# KiCad board Joystick_breakout.kicad_pcb (continued)
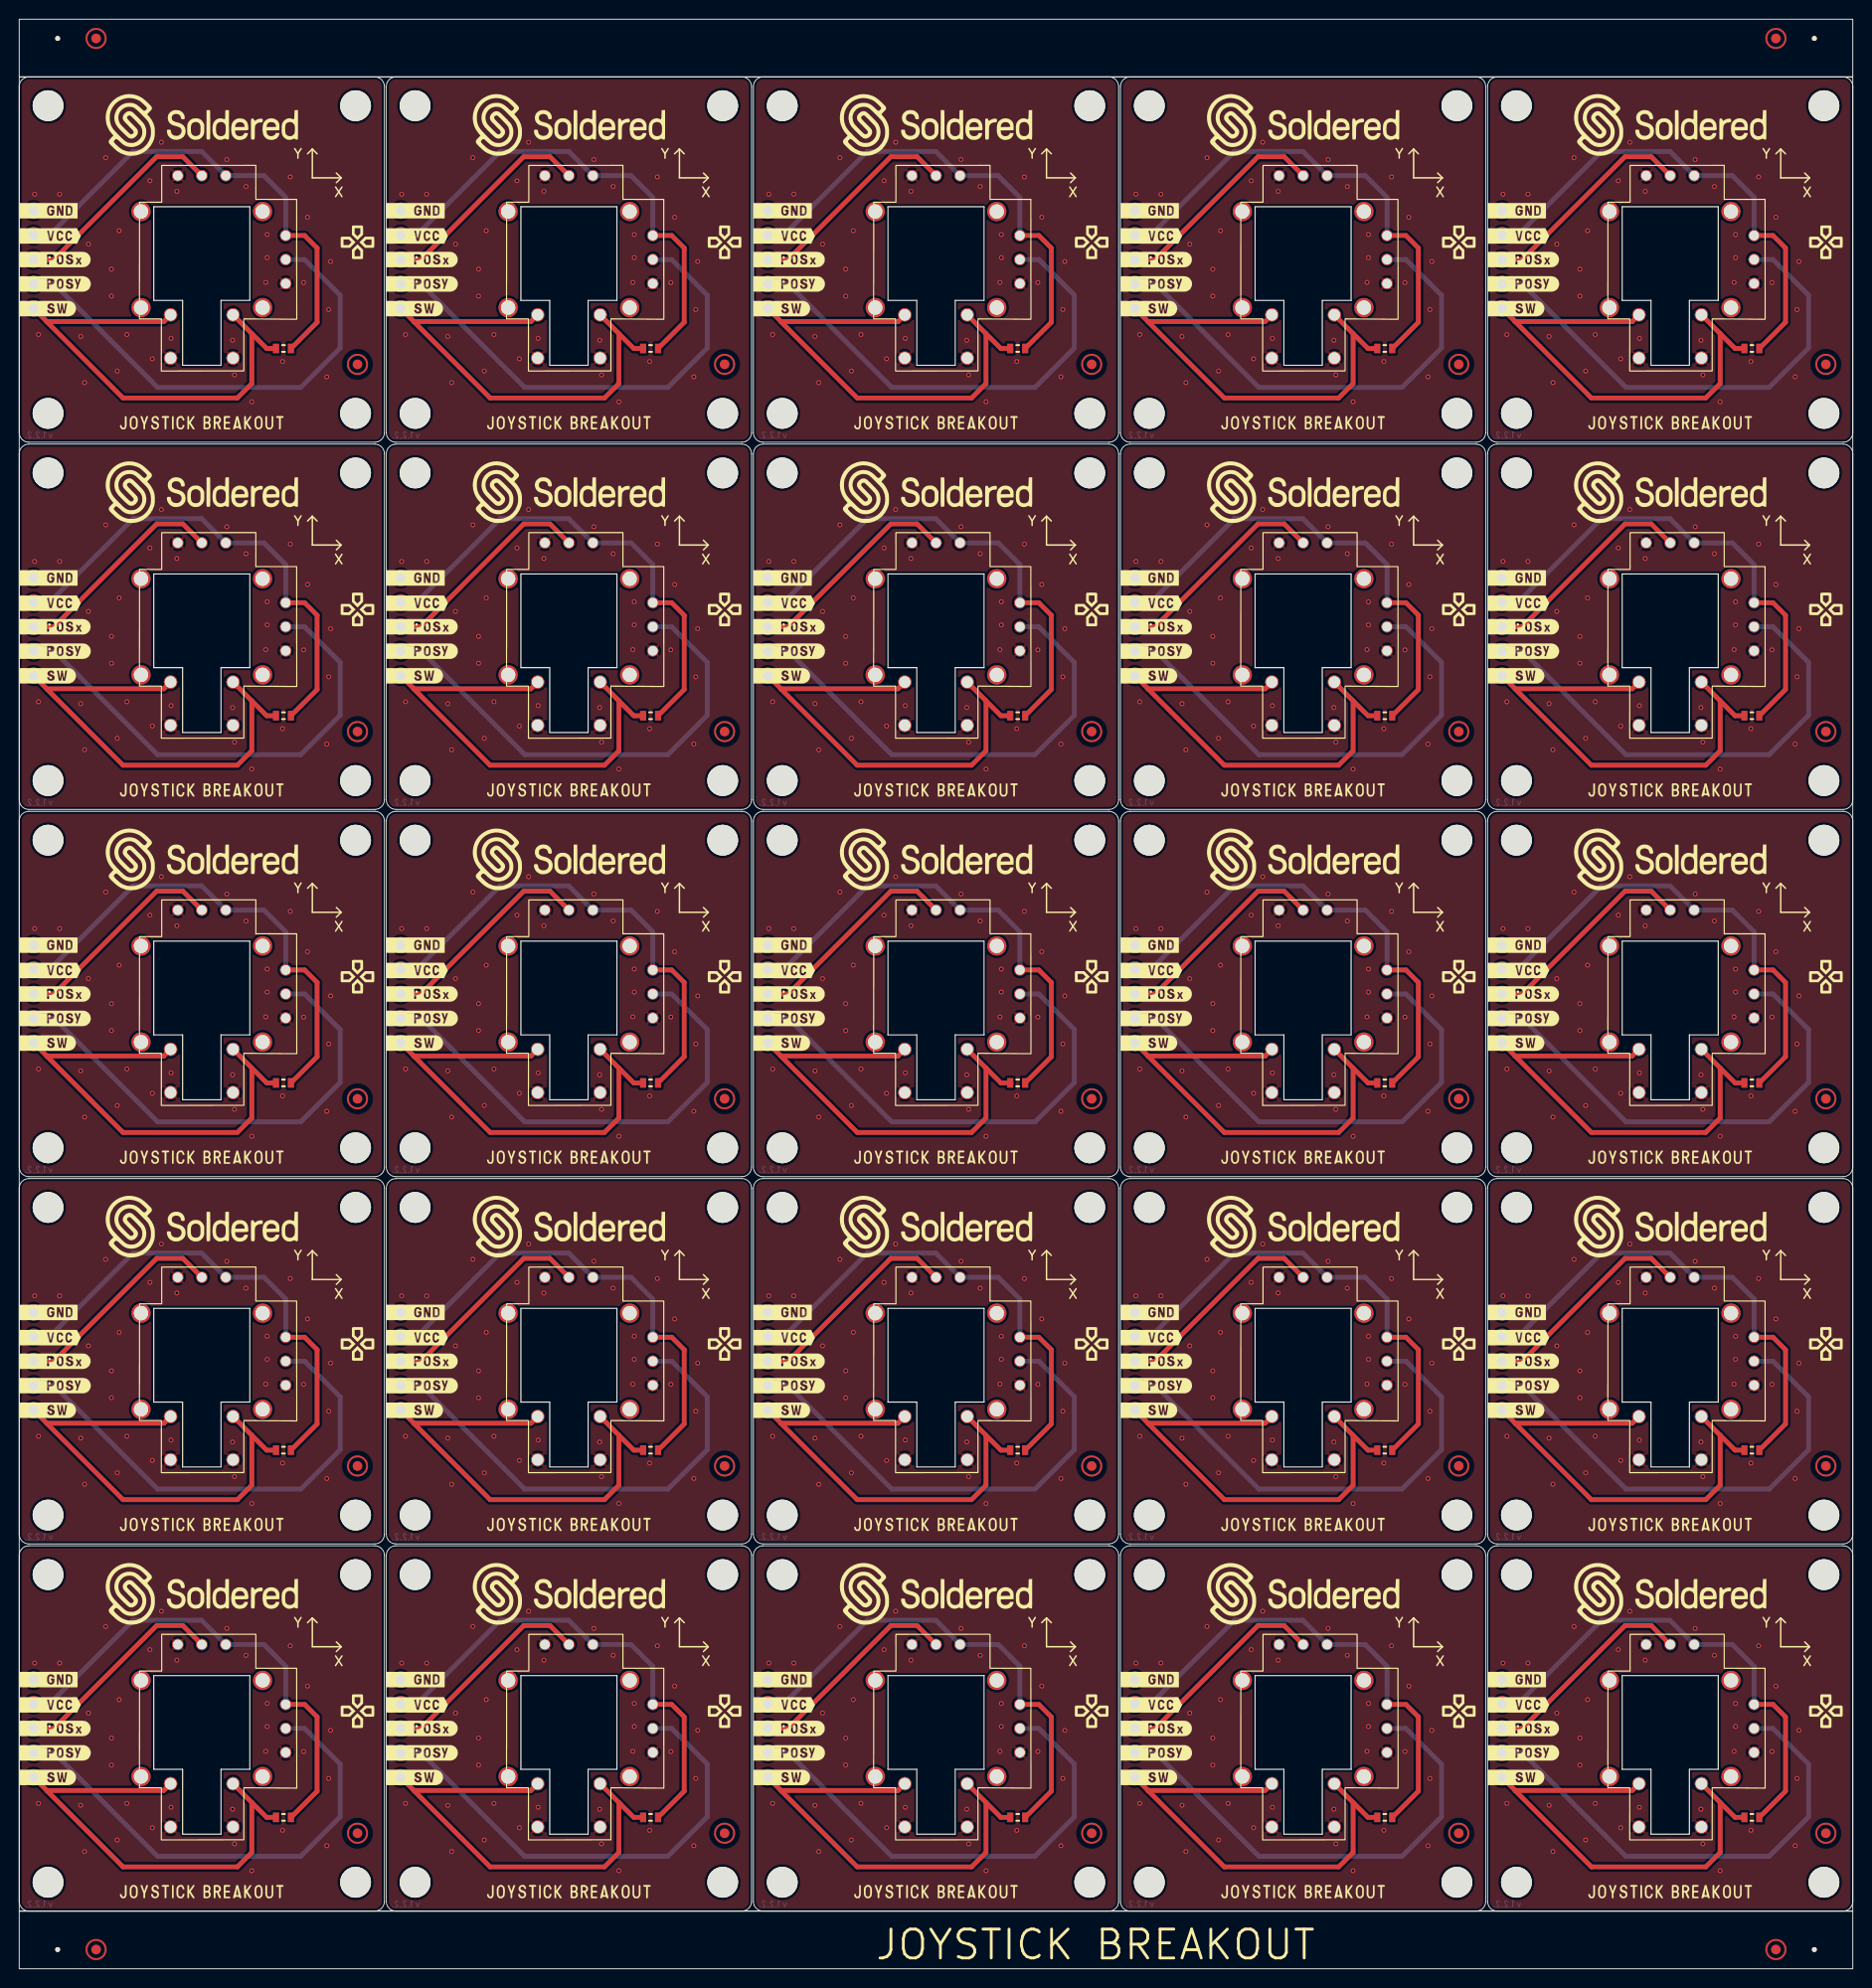
[diagram p0: board, top side]
## Placement (name value [footprint] x y rotation side) (continued)
REF**#6  -  [HOLE_1mm]  186.8 2 0 top
REF**#7  Logo-Front-SolderedFULL-20mm  [Logo-Back-SolderedFULL-20mm]  133.6 116.4 0 top
REF**#8  Logo-Front-SolderedFULL-20mm  [Logo-Back-SolderedFULL-20mm]  133.6 78.2 0 top
REF**#9  Logo-Front-SolderedFULL-20mm  [Logo-Back-SolderedFULL-20mm]  171.8 116.4 0 top
REF**#10  Logo-Front-SolderedFULL-20mm  [Logo-Back-SolderedFULL-20mm]  95.4 40 0 top
REF**#11  Logo-Front-SolderedFULL-20mm  [Logo-Back-SolderedFULL-20mm]  57.2 116.4 0 top
REF**#12  Logo-Front-SolderedFULL-20mm  [Logo-Back-SolderedFULL-20mm]  19 40 0 top
REF**#13  Logo-Front-SolderedFULL-20mm  [Logo-Back-SolderedFULL-20mm]  57.2 154.6 0 top
REF**#14  Logo-Front-SolderedFULL-20mm  [Logo-Back-SolderedFULL-20mm]  133.6 40 0 top
REF**#15  Logo-Front-SolderedFULL-20mm  [Logo-Back-SolderedFULL-20mm]  95.4 192.8 0 top
REF**#16  -  [HOLE_1mm]  4 200.8 0 top
REF**#17  Logo-Front-SolderedFULL-20mm  [Logo-Back-SolderedFULL-20mm]  133.6 192.8 0 top
REF**#18  Logo-Front-SolderedFULL-20mm  [Logo-Back-SolderedFULL-20mm]  57.2 40 0 top
REF**#19  -  [HOLE_1mm]  4 2 0 top
REF**#20  Logo-Front-SolderedFULL-20mm  [Logo-Back-SolderedFULL-20mm]  171.8 78.2 0 top
REF**#21  Logo-Front-SolderedFULL-20mm  [Logo-Back-SolderedFULL-20mm]  95.4 116.4 0 top
REF**#22  Logo-Front-SolderedFULL-20mm  [Logo-Back-SolderedFULL-20mm]  19 192.8 0 top
REF**#23  Logo-Front-SolderedFULL-20mm  [Logo-Back-SolderedFULL-20mm]  171.8 192.8 0 top
REF**#24  Logo-Front-SolderedFULL-20mm  [Logo-Back-SolderedFULL-20mm]  171.8 154.6 0 top
REF**#25  Logo-Front-SolderedFULL-20mm  [Logo-Back-SolderedFULL-20mm]  57.2 192.8 0 top
REF**#26  Logo-Front-SolderedFULL-20mm  [Logo-Back-SolderedFULL-20mm]  19 116.4 0 top
REF**#27  Logo-Front-SolderedFULL-20mm  [Logo-Back-SolderedFULL-20mm]  95.4 154.6 0 top
REF**#28  -  [HOLE_1mm]  186.8 200.8 0 top
REF**#29  Logo-Front-SolderedFULL-20mm  [Logo-Back-SolderedFULL-20mm]  19 78.2 0 top
REF**#30  -  [Version1.2.2.]  154.8 159.55 180 bottom
REF**#31  -  [Version1.2.2.]  116.6 121.35 180 bottom
REF**#32  -  [Version1.2.2.]  78.4 159.55 180 bottom
REF**#33  Logo-Front-SolderedFULL-20mm  [Logo-Back-SolderedFULL-20mm]  171.8 153.6 180 bottom
REF**#34  Logo-Front-SolderedFULL-20mm  [Logo-Back-SolderedFULL-20mm]  19 39 180 bottom
REF**#35  -  [Version1.2.2.]  40.2 44.95 180 bottom
REF**#36  -  [Version1.2.2.]  2 6.75 180 bottom
REF**#37  -  [Version1.2.2.]  154.8 121.35 180 bottom
REF**#38  Logo-Front-SolderedFULL-20mm  [Logo-Back-SolderedFULL-20mm]  95.4 153.6 180 bottom
REF**#39  Logo-Front-SolderedFULL-20mm  [Logo-Back-SolderedFULL-20mm]  171.8 39 180 bottom
REF**#40  -  [Version1.2.2.]  78.4 83.15 180 bottom
REF**#41  -  [Version1.2.2.]  154.8 83.15 180 bottom
REF**#42  -  [Version1.2.2.]  40.2 6.75 180 bottom
REF**#43  -  [Version1.2.2.]  116.6 159.55 180 bottom
REF**#44  -  [Version1.2.2.]  116.6 6.75 180 bottom
REF**#45  Logo-Front-SolderedFULL-20mm  [Logo-Back-SolderedFULL-20mm]  57.2 191.8 180 bottom
REF**#46  -  [Version1.2.2.]  78.4 44.95 180 bottom
REF**#47  Logo-Front-SolderedFULL-20mm  [Logo-Back-SolderedFULL-20mm]  95.4 191.8 180 bottom
REF**#48  Logo-Front-SolderedFULL-20mm  [Logo-Back-SolderedFULL-20mm]  57.2 39 180 bottom
REF**#49  Logo-Front-SolderedFULL-20mm  [Logo-Back-SolderedFULL-20mm]  95.4 39 180 bottom
REF**#50  -  [Version1.2.2.]  40.2 159.55 180 bottom
REF**#51  Logo-Front-SolderedFULL-20mm  [Logo-Back-SolderedFULL-20mm]  133.6 191.8 180 bottom
REF**#52  Logo-Front-SolderedFULL-20mm  [Logo-Back-SolderedFULL-20mm]  57.2 153.6 180 bottom
REF**#53  -  [Version1.2.2.]  154.8 44.95 180 bottom
REF**#54  -  [Version1.2.2.]  154.8 6.75 180 bottom
REF**#55  -  [Version1.2.2.]  2 159.55 180 bottom
REF**#56  Logo-Front-SolderedFULL-20mm  [Logo-Back-SolderedFULL-20mm]  95.4 115.4 180 bottom
REF**#57  Logo-Front-SolderedFULL-20mm  [Logo-Back-SolderedFULL-20mm]  171.8 77.2 180 bottom
REF**#58  -  [Version1.2.2.]  2 121.35 180 bottom
REF**#59  Logo-Front-SolderedFULL-20mm  [Logo-Back-SolderedFULL-20mm]  57.2 115.4 180 bottom
REF**#60  -  [Version1.2.2.]  78.4 121.35 180 bottom
REF**#61  Logo-Front-SolderedFULL-20mm  [Logo-Back-SolderedFULL-20mm]  171.8 191.8 180 bottom
REF**#62  Logo-Front-SolderedFULL-20mm  [Logo-Back-SolderedFULL-20mm]  133.6 115.4 180 bottom
REF**#63  Logo-Front-SolderedFULL-20mm  [Logo-Back-SolderedFULL-20mm]  133.6 77.2 180 bottom
REF**#64  -  [Version1.2.2.]  2 44.95 180 bottom
REF**#65  Logo-Front-SolderedFULL-20mm  [Logo-Back-SolderedFULL-20mm]  95.4 77.2 180 bottom
REF**#66  Logo-Front-SolderedFULL-20mm  [Logo-Back-SolderedFULL-20mm]  19 153.6 180 bottom
REF**#67  Logo-Front-SolderedFULL-20mm  [Logo-Back-SolderedFULL-20mm]  19 77.2 180 bottom
REF**#68  -  [Version1.2.2.]  116.6 83.15 180 bottom
REF**#69  -  [Version1.2.2.]  40.2 83.15 180 bottom
REF**#70  -  [Version1.2.2.]  78.4 6.75 180 bottom
REF**#71  Logo-Front-SolderedFULL-20mm  [Logo-Back-SolderedFULL-20mm]  133.6 153.6 180 bottom
REF**#72  Logo-Front-SolderedFULL-20mm  [Logo-Back-SolderedFULL-20mm]  19 115.4 180 bottom
REF**#73  -  [Version1.2.2.]  116.6 44.95 180 bottom
REF**#74  Logo-Front-SolderedFULL-20mm  [Logo-Back-SolderedFULL-20mm]  19 191.8 180 bottom
REF**#75  Logo-Front-SolderedFULL-20mm  [Logo-Back-SolderedFULL-20mm]  133.6 39 180 bottom
REF**#76  -  [Version1.2.2.]  2 83.15 180 bottom
REF**#77  -  [Version1.2.2.]  40.2 121.35 180 bottom
REF**#78  Logo-Front-SolderedFULL-20mm  [Logo-Back-SolderedFULL-20mm]  57.2 77.2 180 bottom
REF**#79  Logo-Front-SolderedFULL-20mm  [Logo-Back-SolderedFULL-20mm]  171.8 115.4 180 bottom

## Footprints (pads in the part's own frame, mm; a bottom-side part is the same pattern mirrored in y, then rotated)
0603R
  rect 0.64x1 smd: 1(-0.775,0) 2(0.775,0)
FIDUCIAL_23
  round 1 smd: 1(0,0)
HEADER_MALE_5X1
  round 1.7 hole 1: 1(-5.08,0) 2(-2.54,0) 3(0,0) 4(2.54,0) 5(5.08,0)
HOLE_1mm
  round 0.5 hole 1 unplated: (0,0)
HOLE_3.2mm
  round 3.2 hole 3.2 unplated: (0,0)
joystick
  round 2 hole 1.5: (-6.325,5) (-6.325,-5) (6.325,5) (6.325,-5)
  round 1.4 hole 1.2: 1(-3.25,-10.25) 1(3.25,-10.25) 2(-3.25,-5.75) 2(3.25,-5.75)
  round 1.2 hole 1: 3(8.73,-2.5) 4(8.73,0) 5(8.73,2.5) 6(2.5,8.73) 7(0,8.73) 8(-2.5,8.73)

## Nets
GND: K1.1 K1.3 K1.8 K1#2.1 K1#2.3 K1#2.8 K1#3.1 K1#3.3 K1#3.8 K1#4.1 K1#4.3 K1#4.8 K1#5.1 K1#5.3 K1#5.8 K1#6.1 K1#6.3 K1#6.8 K1#7.1 K1#7.3 K1#7.8 K1#8.1 K1#8.3 K1#8.8 K1#9.1 K1#9.3 K1#9.8 K1#10.1 K1#10.3 K1#10.8 K1#11.1 K1#11.3 K1#11.8 K1#12.1 K1#12.3 K1#12.8 K1#13.1 K1#13.3 K1#13.8 K1#14.1 K1#14.3 K1#14.8 K1#15.1 K1#15.3 K1#15.8 K1#16.1 K1#16.3 K1#16.8 K1#17.1 K1#17.3 K1#17.8 K1#18.1 K1#18.3 K1#18.8 K1#19.1 K1#19.3 K1#19.8 K1#20.1 K1#20.3 K1#20.8 K1#21.1 K1#21.3 K1#21.8 K1#22.1 K1#22.3 K1#22.8 K1#23.1 K1#23.3 K1#23.8 K1#24.1 K1#24.3 K1#24.8 K1#25.1 K1#25.3 K1#25.8 K2.5 K2#2.5 K2#3.5 K2#4.5 K2#5.5 K2#6.5 K2#7.5 K2#8.5 K2#9.5 K2#10.5 K2#11.5 K2#12.5 K2#13.5 K2#14.5 K2#15.5 K2#16.5 K2#17.5 K2#18.5 K2#19.5 K2#20.5 K2#21.5 K2#22.5 K2#23.5 K2#24.5 K2#25.5
VCC: K1.5 K1.6 K1#2.5 K1#2.6 K1#3.5 K1#3.6 K1#4.5 K1#4.6 K1#5.5 K1#5.6 K1#6.5 K1#6.6 K1#7.5 K1#7.6 K1#8.5 K1#8.6 K1#9.5 K1#9.6 K1#10.5 K1#10.6 K1#11.5 K1#11.6 K1#12.5 K1#12.6 K1#13.5 K1#13.6 K1#14.5 K1#14.6 K1#15.5 K1#15.6 K1#16.5 K1#16.6 K1#17.5 K1#17.6 K1#18.5 K1#18.6 K1#19.5 K1#19.6 K1#20.5 K1#20.6 K1#21.5 K1#21.6 K1#22.5 K1#22.6 K1#23.5 K1#23.6 K1#24.5 K1#24.6 K1#25.5 K1#25.6 K2.4 K2#2.4 K2#3.4 K2#4.4 K2#5.4 K2#6.4 K2#7.4 K2#8.4 K2#9.4 K2#10.4 K2#11.4 K2#12.4 K2#13.4 K2#14.4 K2#15.4 K2#16.4 K2#17.4 K2#18.4 K2#19.4 K2#20.4 K2#21.4 K2#22.4 K2#23.4 K2#24.4 K2#25.4 R1.2 R1#2.2 R1#3.2 R1#4.2 R1#5.2 R1#6.2 R1#7.2 R1#8.2 R1#9.2 R1#10.2 R1#11.2 R1#12.2 R1#13.2 R1#14.2 R1#15.2 R1#16.2 R1#17.2 R1#18.2 R1#19.2 R1#20.2 R1#21.2 R1#22.2 R1#23.2 R1#24.2 R1#25.2
POSx: K1.7 K1#2.7 K1#3.7 K1#4.7 K1#5.7 K1#6.7 K1#7.7 K1#8.7 K1#9.7 K1#10.7 K1#11.7 K1#12.7 K1#13.7 K1#14.7 K1#15.7 K1#16.7 K1#17.7 K1#18.7 K1#19.7 K1#20.7 K1#21.7 K1#22.7 K1#23.7 K1#24.7 K1#25.7 K2.3 K2#2.3 K2#3.3 K2#4.3 K2#5.3 K2#6.3 K2#7.3 K2#8.3 K2#9.3 K2#10.3 K2#11.3 K2#12.3 K2#13.3 K2#14.3 K2#15.3 K2#16.3 K2#17.3 K2#18.3 K2#19.3 K2#20.3 K2#21.3 K2#22.3 K2#23.3 K2#24.3 K2#25.3
POSy: K1.4 K1#2.4 K1#3.4 K1#4.4 K1#5.4 K1#6.4 K1#7.4 K1#8.4 K1#9.4 K1#10.4 K1#11.4 K1#12.4 K1#13.4 K1#14.4 K1#15.4 K1#16.4 K1#17.4 K1#18.4 K1#19.4 K1#20.4 K1#21.4 K1#22.4 K1#23.4 K1#24.4 K1#25.4 K2.2 K2#2.2 K2#3.2 K2#4.2 K2#5.2 K2#6.2 K2#7.2 K2#8.2 K2#9.2 K2#10.2 K2#11.2 K2#12.2 K2#13.2 K2#14.2 K2#15.2 K2#16.2 K2#17.2 K2#18.2 K2#19.2 K2#20.2 K2#21.2 K2#22.2 K2#23.2 K2#24.2 K2#25.2
SW: K1.2 K1#2.2 K1#3.2 K1#4.2 K1#5.2 K1#6.2 K1#7.2 K1#8.2 K1#9.2 K1#10.2 K1#11.2 K1#12.2 K1#13.2 K1#14.2 K1#15.2 K1#16.2 K1#17.2 K1#18.2 K1#19.2 K1#20.2 K1#21.2 K1#22.2 K1#23.2 K1#24.2 K1#25.2 K2.1 K2#2.1 K2#3.1 K2#4.1 K2#5.1 K2#6.1 K2#7.1 K2#8.1 K2#9.1 K2#10.1 K2#11.1 K2#12.1 K2#13.1 K2#14.1 K2#15.1 K2#16.1 K2#17.1 K2#18.1 K2#19.1 K2#20.1 K2#21.1 K2#22.1 K2#23.1 K2#24.1 K2#25.1 R1.1 R1#2.1 R1#3.1 R1#4.1 R1#5.1 R1#6.1 R1#7.1 R1#8.1 R1#9.1 R1#10.1 R1#11.1 R1#12.1 R1#13.1 R1#14.1 R1#15.1 R1#16.1 R1#17.1 R1#18.1 R1#19.1 R1#20.1 R1#21.1 R1#22.1 R1#23.1 R1#24.1 R1#25.1

Pads without a net: FD1 1; FD1#2 1; FD1#3 1; FD1#4 1; FD1#5 1; FD1#6 1; FD1#7 1; FD1#8 1; FD1#9 1; FD1#10 1; FD1#11 1; FD1#12 1; FD1#13 1; FD1#14 1; FD1#15 1; FD1#16 1; FD1#17 1; FD1#18 1; FD1#19 1; FD1#20 1; FD1#21 1; FD1#22 1; FD1#23 1; FD1#24 1; FD1#25 1; FD1#26 1; FD1#27 1; FD1#28 1; FD1#29 1

## Via types
v1: diameter 0.5, hole 0.3, Top to Bottom, 800 vias

## Routing (per net, layer and track width the routed paths; a pad name or vN(x,y) marks a point on that pad's centre or on a via; arc(x,y) is an arc through that point)
GND:
  vias: v1(1.6,184.6) v1(1.6,146.4) v1(1.6,108.2) v1(1.6,70) v1(1.6,31.8) v1(2,170) v1(2,131.8) v1(2,93.6) v1(2,55.4) v1(2,17.2) v1(4.2,184.6) v1(4.2,146.4) v1(4.2,108.2) v1(4.2,70) v1(4.2,31.8) v1(6.4,169.8) v1(6.4,131.6) v1(6.4,93.4) v1(6.4,55.2) v1(6.4,17) v1(6.8,165) v1(6.8,126.8) v1(6.8,88.6) v1(6.8,50.4) v1(6.8,12.2) v1(7.2,179.4) v1(7.2,141.2) v1(7.2,103) v1(7.2,64.8) v1(7.2,26.6) v1(9,188.4) v1(9,150.2) v1(9,112) v1(9,73.8) v1(9,35.6) v1(9.6,176.8) v1(9.6,174) v1(9.6,138.6) v1(9.6,135.8) v1(9.6,100.4) v1(9.6,97.6) v1(9.6,62.2) v1(9.6,59.4) v1(9.6,24) v1(9.6,21.2) v1(10.2,166.2) v1(10.2,128) v1(10.2,89.8) v1(10.2,51.6) v1(10.2,13.4) v1(10.4,180.8) v1(10.4,142.6) v1(10.4,104.4) v1(10.4,66.2) v1(10.4,28) v1(11.2,170) v1(11.2,131.8) v1(11.2,93.6) v1(11.2,55.4) v1(11.2,17.2) v1(13.6,186) v1(13.6,147.8) v1(13.6,109.6) v1(13.6,71.4) v1(13.6,33.2) v1(13.85,167.48) v1(13.85,129.28) v1(13.85,91.08) v1(13.85,52.88) v1(13.85,14.68) v1(14.8,190) v1(14.8,151.8) v1(14.8,113.6) v1(14.8,75.4) v1(14.8,37.2) v1(15.8,169.6) v1(15.8,131.4) v1(15.8,93.2) v1(15.8,55) v1(15.8,16.8) v1(16.4,184.9) v1(16.4,146.7) v1(16.4,108.5) v1(16.4,70.3) v1(16.4,32.1) v1(21.6,188.2) v1(21.6,150) v1(21.6,111.8) v1(21.6,73.6) v1(21.6,35.4) v1(22.2,169.4) v1(22.2,131.2) v1(22.2,93) v1(22.2,54.8) v1(22.2,16.6) v1(22.4,165.8) v1(22.4,127.6) v1(22.4,89.4) v1(22.4,51.2) v1(22.4,13) v1(23.6,185.4) v1(23.6,147.2) v1(23.6,109) v1(23.6,70.8) v1(23.6,32.6) v1(24.2,163) v1(24.2,124.8) v1(24.2,86.6) v1(24.2,48.4) v1(24.2,10.2) v1(25.65,175.43) v1(25.65,137.23) v1(25.65,99.03) v1(25.65,60.83) v1(25.65,22.62) v1(25.8,180.4) v1(25.8,178) v1(25.8,142.2) v1(25.8,139.8) v1(25.8,104) v1(25.8,101.6) v1(25.8,65.8) v1(25.8,63.4) v1(25.8,27.6) v1(25.8,25.2) v1(27.4,167.2) v1(27.4,129) v1(27.4,90.8) v1(27.4,52.6) v1(27.4,14.4) v1(28.2,186.4) v1(28.2,148.2) v1(28.2,110) v1(28.2,71.8) v1(28.2,33.6) v1(29.6,175.4) v1(29.6,137.2) v1(29.6,99) v1(29.6,60.8) v1(29.6,22.6) v1(30,182.2) v1(30,144) v1(30,105.8) v1(30,67.6) v1(30,29.4) v1(32,165.6) v1(32,127.4) v1(32,89.2) v1(32,51) v1(32,12.8) v1(32.2,172.6) v1(32.2,134.4) v1(32.2,96.2) v1(32.2,58) v1(32.2,19.8) v1(32.4,177.6) v1(32.4,139.4) v1(32.4,101.2) v1(32.4,63) v1(32.4,24.8) v1(39.8,184.6) v1(39.8,146.4) v1(39.8,108.2) v1(39.8,70) v1(39.8,31.8) v1(40.2,170) v1(40.2,131.8) v1(40.2,93.6) v1(40.2,55.4) v1(40.2,17.2) v1(42.4,184.6) v1(42.4,146.4) v1(42.4,108.2) v1(42.4,70) v1(42.4,31.8) v1(44.6,169.8) v1(44.6,131.6) v1(44.6,93.4) v1(44.6,55.2) v1(44.6,17) v1(45,165) v1(45,126.8) v1(45,88.6) v1(45,50.4) v1(45,12.2) v1(45.4,179.4) v1(45.4,141.2) v1(45.4,103) v1(45.4,64.8) v1(45.4,26.6) v1(47.2,188.4) v1(47.2,150.2) v1(47.2,112) v1(47.2,73.8) v1(47.2,35.6) v1(47.8,176.8) v1(47.8,174) v1(47.8,138.6) v1(47.8,135.8) v1(47.8,100.4) v1(47.8,97.6) v1(47.8,62.2) v1(47.8,59.4) v1(47.8,24) v1(47.8,21.2) v1(48.4,166.2) v1(48.4,128) v1(48.4,89.8) v1(48.4,51.6) v1(48.4,13.4) v1(48.6,180.8) v1(48.6,142.6) v1(48.6,104.4) v1(48.6,66.2) v1(48.6,28) v1(49.4,170) v1(49.4,131.8) v1(49.4,93.6) v1(49.4,55.4) v1(49.4,17.2) v1(51.8,186) v1(51.8,147.8) v1(51.8,109.6) v1(51.8,71.4) v1(51.8,33.2) v1(52.05,167.48) v1(52.05,129.28) v1(52.05,91.08) v1(52.05,52.88) v1(52.05,14.68) v1(53,190) v1(53,151.8) v1(53,113.6) v1(53,75.4) v1(53,37.2) v1(54,169.6) v1(54,131.4) v1(54,93.2) v1(54,55) v1(54,16.8) v1(54.6,184.9) v1(54.6,146.7) v1(54.6,108.5) v1(54.6,70.3) v1(54.6,32.1) v1(59.8,188.2) v1(59.8,150) v1(59.8,111.8) v1(59.8,73.6) v1(59.8,35.4) v1(60.4,169.4) v1(60.4,131.2) v1(60.4,93) v1(60.4,54.8) v1(60.4,16.6) v1(60.6,165.8) v1(60.6,127.6) v1(60.6,89.4) v1(60.6,51.2) v1(60.6,13) v1(61.8,185.4) v1(61.8,147.2) v1(61.8,109) v1(61.8,70.8) v1(61.8,32.6) v1(62.4,163) v1(62.4,124.8) v1(62.4,86.6) v1(62.4,48.4) v1(62.4,10.2) v1(63.85,175.43) v1(63.85,137.23) v1(63.85,99.03) v1(63.85,60.83) v1(63.85,22.62) v1(64,180.4) v1(64,178) v1(64,142.2) v1(64,139.8) v1(64,104) v1(64,101.6) v1(64,65.8) v1(64,63.4) v1(64,27.6) v1(64,25.2) v1(65.6,167.2) v1(65.6,129) v1(65.6,90.8) v1(65.6,52.6) v1(65.6,14.4) v1(66.4,186.4) v1(66.4,148.2) v1(66.4,110) v1(66.4,71.8) v1(66.4,33.6) v1(67.8,175.4) v1(67.8,137.2) v1(67.8,99) v1(67.8,60.8) v1(67.8,22.6) v1(68.2,182.2) v1(68.2,144) v1(68.2,105.8) v1(68.2,67.6) v1(68.2,29.4) v1(70.2,165.6) v1(70.2,127.4) v1(70.2,89.2) v1(70.2,51) v1(70.2,12.8) v1(70.4,172.6) v1(70.4,134.4) v1(70.4,96.2) v1(70.4,58) v1(70.4,19.8) v1(70.6,177.6) v1(70.6,139.4) v1(70.6,101.2) v1(70.6,63) v1(70.6,24.8) v1(78,184.6) v1(78,146.4) v1(78,108.2) v1(78,70) v1(78,31.8) v1(78.4,170) v1(78.4,131.8) v1(78.4,93.6) v1(78.4,55.4) v1(78.4,17.2) v1(80.6,184.6) v1(80.6,146.4) v1(80.6,108.2) v1(80.6,70) v1(80.6,31.8) v1(82.8,169.8) v1(82.8,131.6) v1(82.8,93.4) v1(82.8,55.2) v1(82.8,17) v1(83.2,165) v1(83.2,126.8) v1(83.2,88.6) v1(83.2,50.4) v1(83.2,12.2) v1(83.6,179.4) v1(83.6,141.2) v1(83.6,103) v1(83.6,64.8) v1(83.6,26.6) v1(85.4,188.4) v1(85.4,150.2) v1(85.4,112) v1(85.4,73.8) v1(85.4,35.6) v1(86,176.8) v1(86,174) v1(86,138.6) v1(86,135.8) v1(86,100.4) v1(86,97.6) v1(86,62.2) v1(86,59.4) v1(86,24) v1(86,21.2) v1(86.6,166.2) v1(86.6,128) v1(86.6,89.8) v1(86.6,51.6) v1(86.6,13.4) v1(86.8,180.8) v1(86.8,142.6) v1(86.8,104.4) v1(86.8,66.2) v1(86.8,28) v1(87.6,170) v1(87.6,131.8) v1(87.6,93.6) v1(87.6,55.4) v1(87.6,17.2) v1(90,186) v1(90,147.8) v1(90,109.6) v1(90,71.4) v1(90,33.2) v1(90.25,167.48) v1(90.25,129.28) v1(90.25,91.08) v1(90.25,52.88) v1(90.25,14.68) v1(91.2,190) v1(91.2,151.8) v1(91.2,113.6) v1(91.2,75.4) v1(91.2,37.2) v1(92.2,169.6) v1(92.2,131.4) v1(92.2,93.2) v1(92.2,55) v1(92.2,16.8) v1(92.8,184.9) v1(92.8,146.7) v1(92.8,108.5) v1(92.8,70.3) v1(92.8,32.1) v1(98,188.2) v1(98,150) v1(98,111.8) v1(98,73.6) v1(98,35.4) v1(98.6,169.4) v1(98.6,131.2) v1(98.6,93) v1(98.6,54.8) v1(98.6,16.6) v1(98.8,165.8) v1(98.8,127.6) v1(98.8,89.4) v1(98.8,51.2) v1(98.8,13) v1(100,185.4) v1(100,147.2) v1(100,109) v1(100,70.8) v1(100,32.6) v1(100.6,163) v1(100.6,124.8) v1(100.6,86.6) v1(100.6,48.4) v1(100.6,10.2) v1(102.05,175.43) v1(102.05,137.23) v1(102.05,99.03) v1(102.05,60.83) v1(102.05,22.62) v1(102.2,180.4) v1(102.2,178) v1(102.2,142.2) v1(102.2,139.8) v1(102.2,104) v1(102.2,101.6) v1(102.2,65.8) v1(102.2,63.4) v1(102.2,27.6) v1(102.2,25.2) v1(103.8,167.2) v1(103.8,129) v1(103.8,90.8) v1(103.8,52.6) v1(103.8,14.4) v1(104.6,186.4) v1(104.6,148.2) v1(104.6,110) v1(104.6,71.8) v1(104.6,33.6) v1(106,175.4) v1(106,137.2) v1(106,99) v1(106,60.8) v1(106,22.6) v1(106.4,182.2) v1(106.4,144) v1(106.4,105.8) v1(106.4,67.6) v1(106.4,29.4) v1(108.4,165.6) v1(108.4,127.4) v1(108.4,89.2) v1(108.4,51) v1(108.4,12.8) v1(108.6,172.6) v1(108.6,134.4) v1(108.6,96.2) v1(108.6,58) v1(108.6,19.8) v1(108.8,177.6) v1(108.8,139.4) v1(108.8,101.2) v1(108.8,63) v1(108.8,24.8) v1(116.2,184.6) v1(116.2,146.4) v1(116.2,108.2) v1(116.2,70) v1(116.2,31.8) v1(116.6,170) v1(116.6,131.8) v1(116.6,93.6) v1(116.6,55.4) v1(116.6,17.2) v1(118.8,184.6) v1(118.8,146.4) v1(118.8,108.2) v1(118.8,70) v1(118.8,31.8) v1(121,169.8) v1(121,131.6) v1(121,93.4) v1(121,55.2) v1(121,17) v1(121.4,165) v1(121.4,126.8) v1(121.4,88.6) v1(121.4,50.4) v1(121.4,12.2) v1(121.8,179.4) v1(121.8,141.2) v1(121.8,103) v1(121.8,64.8) v1(121.8,26.6) v1(123.6,188.4) v1(123.6,150.2) v1(123.6,112) v1(123.6,73.8) v1(123.6,35.6) v1(124.2,176.8) v1(124.2,174) v1(124.2,138.6) v1(124.2,135.8) v1(124.2,100.4) v1(124.2,97.6) v1(124.2,62.2) v1(124.2,59.4) v1(124.2,24) v1(124.2,21.2) v1(124.8,166.2) v1(124.8,128) v1(124.8,89.8) v1(124.8,51.6) v1(124.8,13.4) v1(125,180.8) v1(125,142.6) v1(125,104.4) v1(125,66.2) v1(125,28) v1(125.8,170) v1(125.8,131.8) v1(125.8,93.6) v1(125.8,55.4) v1(125.8,17.2) v1(128.2,186) v1(128.2,147.8) v1(128.2,109.6) v1(128.2,71.4) v1(128.2,33.2) v1(128.45,167.48) v1(128.45,129.28) v1(128.45,91.08) v1(128.45,52.88) v1(128.45,14.68) v1(129.4,190) v1(129.4,151.8) v1(129.4,113.6) v1(129.4,75.4) v1(129.4,37.2) v1(130.4,169.6) v1(130.4,131.4) v1(130.4,93.2) v1(130.4,55) v1(130.4,16.8) v1(131,184.9) v1(131,146.7) v1(131,108.5) v1(131,70.3) v1(131,32.1) v1(136.2,188.2) v1(136.2,150) v1(136.2,111.8) v1(136.2,73.6) v1(136.2,35.4) v1(136.8,169.4) v1(136.8,131.2) v1(136.8,93) v1(136.8,54.8) v1(136.8,16.6) v1(137,165.8) v1(137,127.6) v1(137,89.4) v1(137,51.2) v1(137,13) v1(138.2,185.4) v1(138.2,147.2) v1(138.2,109) v1(138.2,70.8) v1(138.2,32.6) v1(138.8,163) v1(138.8,124.8) v1(138.8,86.6) v1(138.8,48.4) v1(138.8,10.2) v1(140.25,175.43) v1(140.25,137.23) v1(140.25,99.03) v1(140.25,60.83) v1(140.25,22.62) v1(140.4,180.4) v1(140.4,178) v1(140.4,142.2) v1(140.4,139.8) v1(140.4,104) v1(140.4,101.6) v1(140.4,65.8) v1(140.4,63.4) v1(140.4,27.6) v1(140.4,25.2) v1(142,167.2) v1(142,129) v1(142,90.8) v1(142,52.6) v1(142,14.4) v1(142.8,186.4) v1(142.8,148.2) v1(142.8,110) v1(142.8,71.8) v1(142.8,33.6) v1(144.2,175.4) v1(144.2,137.2) v1(144.2,99) v1(144.2,60.8) v1(144.2,22.6) v1(144.6,182.2) v1(144.6,144) v1(144.6,105.8) v1(144.6,67.6) v1(144.6,29.4) v1(146.6,165.6) v1(146.6,127.4) v1(146.6,89.2) v1(146.6,51) v1(146.6,12.8) v1(146.8,172.6) v1(146.8,134.4) v1(146.8,96.2) v1(146.8,58) v1(146.8,19.8) v1(147,177.6) v1(147,139.4) v1(147,101.2) v1(147,63) v1(147,24.8) v1(154.4,184.6) v1(154.4,146.4) v1(154.4,108.2) v1(154.4,70) v1(154.4,31.8) v1(154.8,170) v1(154.8,131.8) v1(154.8,93.6) v1(154.8,55.4) v1(154.8,17.2) v1(157,184.6) v1(157,146.4) v1(157,108.2) v1(157,70) v1(157,31.8) v1(159.2,169.8) v1(159.2,131.6) v1(159.2,93.4) v1(159.2,55.2) v1(159.2,17) v1(159.6,165) v1(159.6,126.8) v1(159.6,88.6) v1(159.6,50.4) v1(159.6,12.2) v1(160,179.4) v1(160,141.2) v1(160,103) v1(160,64.8) v1(160,26.6) v1(161.8,188.4) v1(161.8,150.2) v1(161.8,112) v1(161.8,73.8) v1(161.8,35.6) v1(162.4,176.8) v1(162.4,174) v1(162.4,138.6) v1(162.4,135.8) v1(162.4,100.4) v1(162.4,97.6) v1(162.4,62.2) v1(162.4,59.4) v1(162.4,24) v1(162.4,21.2) v1(163,166.2) v1(163,128) v1(163,89.8) v1(163,51.6) v1(163,13.4) v1(163.2,180.8) v1(163.2,142.6) v1(163.2,104.4) v1(163.2,66.2) v1(163.2,28) v1(164,170) v1(164,131.8) v1(164,93.6) v1(164,55.4) v1(164,17.2) v1(166.4,186) v1(166.4,147.8) v1(166.4,109.6) v1(166.4,71.4) v1(166.4,33.2) v1(166.65,167.48) v1(166.65,129.28) v1(166.65,91.08) v1(166.65,52.88) v1(166.65,14.68) v1(167.6,190) v1(167.6,151.8) v1(167.6,113.6) v1(167.6,75.4) v1(167.6,37.2) v1(168.6,169.6) v1(168.6,131.4) v1(168.6,93.2) v1(168.6,55) v1(168.6,16.8) v1(169.2,184.9) v1(169.2,146.7) v1(169.2,108.5) v1(169.2,70.3) v1(169.2,32.1) v1(174.4,188.2) v1(174.4,150) v1(174.4,111.8) v1(174.4,73.6) v1(174.4,35.4) v1(175,169.4) v1(175,131.2) v1(175,93) v1(175,54.8) v1(175,16.6) v1(175.2,165.8) v1(175.2,127.6) v1(175.2,89.4) v1(175.2,51.2) v1(175.2,13) v1(176.4,185.4) v1(176.4,147.2) v1(176.4,109) v1(176.4,70.8) v1(176.4,32.6) v1(177,163) v1(177,124.8) v1(177,86.6) v1(177,48.4) v1(177,10.2) v1(178.45,175.43) v1(178.45,137.23) v1(178.45,99.03) v1(178.45,60.83) v1(178.45,22.62) v1(178.6,180.4) v1(178.6,178) v1(178.6,142.2) v1(178.6,139.8) v1(178.6,104) v1(178.6,101.6) v1(178.6,65.8) v1(178.6,63.4) v1(178.6,27.6) v1(178.6,25.2) v1(180.2,167.2) v1(180.2,129) v1(180.2,90.8) v1(180.2,52.6) v1(180.2,14.4) v1(181,186.4) v1(181,148.2) v1(181,110) v1(181,71.8) v1(181,33.6) v1(182.4,175.4) v1(182.4,137.2) v1(182.4,99) v1(182.4,60.8) v1(182.4,22.6) v1(182.8,182.2) v1(182.8,144) v1(182.8,105.8) v1(182.8,67.6) v1(182.8,29.4) v1(184.8,165.6) v1(184.8,127.4) v1(184.8,89.2) v1(184.8,51) v1(184.8,12.8) v1(185,172.6) v1(185,134.4) v1(185,96.2) v1(185,58) v1(185,19.8) v1(185.2,177.6) v1(185.2,139.4) v1(185.2,101.2) v1(185.2,63) v1(185.2,24.8)
VCC: length 1279.4
  Top w0.5: R1#20.2 107.4,171.28 107.4,179 106.1,180.3 K1#16.5 ; R1#4.2 107.4,133.07 107.4,140.8 106.1,142.1 K1#23.5 ; K1#18.5 106.1,103.9 107.4,102.6 107.4,94.88 R1#12.2 ; K1#12.5 144.3,27.5 145.6,26.2 145.6,18.47 R1#23.2 ; R1#13.2 69.2,56.68 69.2,64.4 67.9,65.7 K1#14.5 ; K1#9.5 144.3,142.1 145.6,140.8 145.6,133.07 R1#15.2 ; R1#25.2 183.8,94.88 183.8,102.6 182.5,103.9 K1#2.5 ; R1#14.2 183.8,133.07 183.8,140.8 182.5,142.1 K1#21.5 ; K1#19.5 182.5,180.3 183.8,179 183.8,171.28 R1#24.2 ; R1#19.2 183.8,56.68 183.8,64.4 182.5,65.7 K1#11.5 ; R1#9.2 145.6,94.88 145.6,102.6 144.3,103.9 K1#4.5 ; R1#3.2 145.6,171.28 145.6,179 144.3,180.3 K1#13.5 ; R1#7.2 69.2,94.88 69.2,102.6 67.9,103.9 K1#10.5 ; K1#17.5 29.7,142.1 31,140.8 31,133.07 R1#8.2 ; K1#3.5 29.7,180.3 31,179 31,171.28 R1#21.2 ; K1#22.5 144.3,65.7 145.6,64.4 145.6,56.68 R1#6.2 ; R1#10.2 31,56.68 31,64.4 29.7,65.7 K1#20.5 ; R1#17.2 31,18.47 31,26.2 29.7,27.5 K1#25.5 ; K1#24.5 106.1,65.7 107.4,64.4 107.4,56.68 R1#2.2 ; K1#6.5 67.9,27.5 69.2,26.2 69.2,18.47 R1#18.2 ; R1#16.2 31,94.88 31,102.6 29.7,103.9 K1#8.5 ; K1#7.5 67.9,180.3 69.2,179 69.2,171.28 R1#22.2 ; K1#15.5 106.1,27.5 107.4,26.2 107.4,18.47 R1.2 ; K1.5 182.5,27.5 183.8,26.2 183.8,18.47 R1#11.2 ; K1#5.5 67.9,142.1 69.2,140.8 69.2,133.07 R1#5.2
  Bottom w0.5: K2#13.4 3.14,142.14 11.85,150.85 18.98,150.85 K1#17.6 25.47,148.33 27.73,146.07 K1#17.5 ; K1#8.5 27.73,107.87 25.47,110.13 K1#8.6 18.98,112.65 11.85,112.65 3.14,103.94 K2#21.4 ; K1#5.5 65.93,146.07 63.67,148.33 K1#5.6 57.18,150.85 50.05,150.85 41.34,142.14 K2#11.4 ; K2#14.4 41.34,65.74 50.05,74.45 57.18,74.45 K1#14.6 63.67,71.93 65.93,69.67 K1#14.5 ; K2#2.4 79.54,103.94 88.25,112.65 95.38,112.65 K1#18.6 101.87,110.13 104.13,107.87 K1#18.5 ; K1#2.5 180.53,107.87 178.27,110.13 K1#2.6 171.78,112.65 164.65,112.65 155.94,103.94 K2#15.4 ; K1#22.5 142.33,69.67 140.07,71.93 K1#22.6 133.58,74.45 126.45,74.45 117.74,65.74 K2#24.4 ; K2#20.4 3.14,27.54 11.85,36.25 18.98,36.25 K1#25.6 25.47,33.73 27.73,31.47 K1#25.5 ; K2#22.4 3.14,180.34 11.85,189.05 18.98,189.05 K1#3.6 25.47,186.53 27.73,184.27 K1#3.5 ; K2#3.4 117.74,142.14 126.45,150.85 133.58,150.85 K1#9.6 140.07,148.33 142.33,146.07 K1#9.5 ; K2#19.4 79.54,142.14 88.25,150.85 95.38,150.85 K1#23.6 101.87,148.33 104.13,146.07 K1#23.5 ; K1#10.5 65.93,107.87 63.67,110.13 K1#10.6 57.18,112.65 50.05,112.65 41.34,103.94 K2#6.4 ; K2.4 41.34,180.34 50.05,189.05 57.18,189.05 K1#7.6 63.67,186.53 65.93,184.27 K1#7.5 ; K2#23.4 41.34,27.54 50.05,36.25 57.18,36.25 K1#6.6 63.67,33.73 65.93,31.47 K1#6.5 ; K2#12.4 79.54,65.74 88.25,74.45 95.38,74.45 K1#24.6 101.87,71.93 104.13,69.67 K1#24.5 ; K1#19.5 180.53,184.27 178.27,186.53 K1#19.6 171.78,189.05 164.65,189.05 155.94,180.34 K2#9.4 ; K1#21.5 180.53,146.07 178.27,148.33 K1#21.6 171.78,150.85 164.65,150.85 155.94,142.14 K2#17.4 ; K1#16.5 104.13,184.27 101.87,186.53 K1#16.6 95.38,189.05 88.25,189.05 79.54,180.34 K2#18.4 ; K2#10.4 117.74,180.34 126.45,189.05 133.58,189.05 K1#13.6 140.07,186.53 142.33,184.27 K1#13.5 ; K1.5 180.53,31.47 178.27,33.73 K1.6 171.78,36.25 164.65,36.25 155.94,27.54 K2#25.4 ; K2#4.4 3.14,65.74 11.85,74.45 18.98,74.45 K1#20.6 25.47,71.93 27.73,69.67 K1#20.5 ; K1#4.5 142.33,107.87 140.07,110.13 K1#4.6 133.58,112.65 126.45,112.65 117.74,103.94 K2#7.4 ; K2#5.4 117.74,27.54 126.45,36.25 133.58,36.25 K1#12.6 140.07,33.73 142.33,31.47 K1#12.5 ; K1#15.5 104.13,31.47 101.87,33.73 K1#15.6 95.38,36.25 88.25,36.25 79.54,27.54 K2#16.4 ; K1#11.5 180.53,69.67 178.27,71.93 K1#11.6 171.78,74.45 164.65,74.45 155.94,65.74 K2#8.4
POSx: length 568.7
  Top w0.5: K1#25.7 17.03,35.7 14.3,35.7 3.6,25 K2#20.3 ; K2#10.3 118.2,177.8 128.9,188.5 131.63,188.5 K1#13.7 ; K1#10.7 55.23,112.1 52.5,112.1 41.8,101.4 K2#6.3 ; K1#12.7 131.63,35.7 128.9,35.7 118.2,25 K2#5.3 ; K2.3 41.8,177.8 52.5,188.5 55.23,188.5 K1#7.7 ; K2#22.3 3.6,177.8 14.3,188.5 17.03,188.5 K1#3.7 ; K2#7.3 118.2,101.4 128.9,112.1 131.63,112.1 K1#4.7 ; K1#20.7 17.03,73.9 14.3,73.9 3.6,63.2 K2#4.3 ; K2#3.3 118.2,139.6 128.9,150.3 131.63,150.3 K1#9.7 ; K2#23.3 41.8,25 52.5,35.7 55.23,35.7 K1#6.7 ; K1#14.7 55.23,73.9 52.5,73.9 41.8,63.2 K2#14.3 ; K2#12.3 80,63.2 90.7,73.9 93.43,73.9 K1#24.7 ; K2#11.3 41.8,139.6 52.5,150.3 55.23,150.3 K1#5.7 ; K1#22.7 131.63,73.9 128.9,73.9 118.2,63.2 K2#24.3 ; K1#8.7 17.03,112.1 14.3,112.1 3.6,101.4 K2#21.3 ; K2#19.3 80,139.6 90.7,150.3 93.43,150.3 K1#23.7 ; K2#18.3 80,177.8 90.7,188.5 93.43,188.5 K1#16.7 ; K2#9.3 156.4,177.8 167.1,188.5 169.83,188.5 K1#19.7 ; K2#17.3 156.4,139.6 167.1,150.3 169.83,150.3 K1#21.7 ; K2#25.3 156.4,25 167.1,35.7 169.83,35.7 K1.7 ; K2#2.3 80,101.4 90.7,112.1 93.43,112.1 K1#18.7 ; K1#17.7 17.03,150.3 14.3,150.3 3.6,139.6 K2#13.3 ; K2#16.3 80,25 90.7,35.7 93.43,35.7 K1#15.7 ; K1#11.7 169.83,73.9 167.1,73.9 156.4,63.2 K2#8.3 ; K1#2.7 169.83,112.1 167.1,112.1 156.4,101.4 K2#15.3
POSy: length 1268.9
  Bottom w0.5: K1#4.4 144.3,101.4 148,97.7 148,92.2 143.9,88.1 129,88.1 118.24,98.86 K2#7.2 ; K2.2 41.84,175.26 52.6,164.5 67.5,164.5 71.6,168.6 71.6,174.1 67.9,177.8 K1#7.4 ; K1#6.4 67.9,25 71.6,21.3 71.6,15.8 67.5,11.7 52.6,11.7 41.84,22.46 K2#23.2 ; K1#20.4 29.7,63.2 33.4,59.5 33.4,54 29.3,49.9 14.4,49.9 3.64,60.66 K2#4.2 ; K2#13.2 3.64,137.06 14.4,126.3 29.3,126.3 33.4,130.4 33.4,135.9 29.7,139.6 K1#17.4 ; K1.4 182.5,25 186.2,21.3 186.2,15.8 182.1,11.7 167.2,11.7 156.44,22.46 K2#25.2 ; K1#22.4 144.3,63.2 148,59.5 148,54 143.9,49.9 129,49.9 118.24,60.66 K2#24.2 ; K1#21.4 182.5,139.6 186.2,135.9 186.2,130.4 182.1,126.3 167.2,126.3 156.44,137.06 K2#17.2 ; K2#9.2 156.44,175.26 167.2,164.5 182.1,164.5 186.2,168.6 186.2,174.1 182.5,177.8 K1#19.4 ; K2#5.2 118.24,22.46 129,11.7 143.9,11.7 148,15.8 148,21.3 144.3,25 K1#12.4 ; K2#22.2 3.64,175.26 14.4,164.5 29.3,164.5 33.4,168.6 33.4,174.1 29.7,177.8 K1#3.4 ; K1#23.4 106.1,139.6 109.8,135.9 109.8,130.4 105.7,126.3 90.8,126.3 80.04,137.06 K2#19.2 ; K1#18.4 106.1,101.4 109.8,97.7 109.8,92.2 105.7,88.1 90.8,88.1 80.04,98.86 K2#2.2 ; K1#16.4 106.1,177.8 109.8,174.1 109.8,168.6 105.7,164.5 90.8,164.5 80.04,175.26 K2#18.2 ; K2#15.2 156.44,98.86 167.2,88.1 182.1,88.1 186.2,92.2 186.2,97.7 182.5,101.4 K1#2.4 ; K1#8.4 29.7,101.4 33.4,97.7 33.4,92.2 29.3,88.1 14.4,88.1 3.64,98.86 K2#21.2 ; K2#8.2 156.44,60.66 167.2,49.9 182.1,49.9 186.2,54 186.2,59.5 182.5,63.2 K1#11.4 ; K1#9.4 144.3,139.6 148,135.9 148,130.4 143.9,126.3 129,126.3 118.24,137.06 K2#3.2 ; K1#10.4 67.9,101.4 71.6,97.7 71.6,92.2 67.5,88.1 52.6,88.1 41.84,98.86 K2#6.2 ; K2#11.2 41.84,137.06 52.6,126.3 67.5,126.3 71.6,130.4 71.6,135.9 67.9,139.6 K1#5.4 ; K2#12.2 80.04,60.66 90.8,49.9 105.7,49.9 109.8,54 109.8,59.5 106.1,63.2 K1#24.4 ; K1#13.4 144.3,177.8 148,174.1 148,168.6 143.9,164.5 129,164.5 118.24,175.26 K2#10.2 ; K1#25.4 29.7,25 33.4,21.3 33.4,15.8 29.3,11.7 14.4,11.7 3.64,22.46 K2#20.2 ; K1#15.4 106.1,25 109.8,21.3 109.8,15.8 105.7,11.7 90.8,11.7 80.04,22.46 K2#16.2 ; K1#14.4 67.9,63.2 71.6,59.5 71.6,54 67.5,49.9 52.6,49.9 41.84,60.66 K2#14.2
SW: length 1287.2
  Top w0.5: 100.6,93.7 102.15,92.15 R1#12.1 ; 100.6,93.7 K1#18.2 ; 100.6,93.7 100.6,88.5 99.1,87 87.2,87 79.27,94.93 79.27,94.95 ; K1#15.2 91.45,18.55 79.27,18.55 ; K2#12.1 79.27,56.75 ; 79.27,56.75 91.45,56.75 K1#24.2 ; 79.27,56.75 79.27,56.73 87.2,48.8 99.1,48.8 100.6,50.3 100.6,55.5 ; 41.07,171.35 53.25,171.35 K1#7.2 ; 41.07,171.35 41.07,171.33 49,163.4 60.9,163.4 62.4,164.9 62.4,170.1 ; 41.07,171.35 K2.1 ; 100.6,131.9 102.15,130.35 R1#4.1 ; 100.6,131.9 100.6,126.7 99.1,125.2 87.2,125.2 79.27,133.13 79.27,133.15 ; 100.6,131.9 K1#23.2 ; R1#23.1 140.35,15.75 138.8,17.3 ; 100.6,17.3 K1#15.2 ; 100.6,17.3 102.15,15.75 R1.1 ; 100.6,17.3 100.6,12.1 99.1,10.6 87.2,10.6 79.27,18.53 79.27,18.55 ; R1#2.1 102.15,53.95 100.6,55.5 ; R1#16.1 25.75,92.15 24.2,93.7 ; K2#9.1 155.67,171.35 ; 155.67,171.35 167.85,171.35 K1#19.2 ; 155.67,171.35 155.67,171.33 163.6,163.4 175.5,163.4 177,164.9 177,170.1 ; 155.67,56.75 155.67,56.73 163.6,48.8 175.5,48.8 177,50.3 177,55.5 ; 155.67,56.75 K2#8.1 ; 155.67,56.75 167.85,56.75 K1#11.2 ; K1#25.2 15.05,18.55 2.87,18.55 ; 177,17.3 178.55,15.75 179.52,15.75 ; 177,17.3 K1.2 ; 177,17.3 177,12.1 175.5,10.6 163.6,10.6 155.67,18.53 155.67,18.55 ; K1#21.2 167.85,133.15 155.67,133.15 ; K1#4.2 129.65,94.95 117.47,94.95 ; 155.67,133.15 155.67,133.13 163.6,125.2 175.5,125.2 177,126.7 177,131.9 ; 155.67,133.15 K2#17.1 ; 41.07,56.75 41.07,56.73 49,48.8 60.9,48.8 62.4,50.3 62.4,55.5 ; 41.07,56.75 K2#14.1 ; 41.07,56.75 53.25,56.75 K1#14.2 ; 41.07,133.15 53.25,133.15 K1#5.2 ; 41.07,133.15 K2#11.1 ; 41.07,133.15 41.07,133.13 49,125.2 60.9,125.2 62.4,126.7 62.4,131.9 ; 138.8,170.1 K1#13.2 ; 138.8,170.1 140.35,168.55 R1#3.1 ; 138.8,170.1 138.8,164.9 137.3,163.4 125.4,163.4 117.47,171.33 117.47,171.35 ; 62.4,93.7 62.4,88.5 60.9,87 49,87 41.07,94.93 41.07,94.95 ; 62.4,93.7 K1#10.2 ; 62.4,93.7 63.95,92.15 R1#7.1 ; K1#12.2 129.65,18.55 117.47,18.55 ; 41.07,18.55 41.07,18.53 49,10.6 60.9,10.6 62.4,12.1 62.4,17.3 ; 41.07,18.55 K2#23.1 ; 41.07,18.55 53.25,18.55 K1#6.2 ; 117.47,56.75 117.47,56.73 125.4,48.8 137.3,48.8 138.8,50.3 138.8,55.5 ; 117.47,56.75 129.65,56.75 K1#22.2 ; 117.47,56.75 K2#24.1 ; 117.47,133.15 129.65,133.15 K1#9.2 ; 117.47,133.15 K2#3.1 ; 117.47,133.15 117.47,133.13 125.4,125.2 137.3,125.2 138.8,126.7 138.8,131.9 ; 24.2,93.7 K1#8.2 ; 24.2,93.7 24.2,88.5 22.7,87 10.8,87 2.87,94.93 2.87,94.95 ; R1#5.1 63.95,130.35 62.4,131.9 ; 138.8,17.3 138.8,12.1 137.3,10.6 125.4,10.6 117.47,18.53 117.47,18.55 ; 138.8,17.3 K1#12.2 ; 117.47,18.55 K2#5.1 ; K2#7.1 117.47,94.95 ; 117.47,94.95 117.47,94.93 125.4,87 137.3,87 138.8,88.5 138.8,93.7 ; 2.87,94.95 15.05,94.95 K1#8.2 ; 2.87,94.95 K2#21.1 ; R1#17.1 25.75,15.75 24.2,17.3 ; K2#25.1 155.67,18.55 ; 155.67,18.55 167.85,18.55 K1.2 ; 62.4,55.5 K1#14.2 ; 62.4,55.5 63.95,53.95 R1#13.1 ; K1#16.2 91.45,171.35 79.27,171.35 ; K2#13.1 2.87,133.15 ; 2.87,133.15 15.05,133.15 K1#17.2 ; 2.87,133.15 2.87,133.13 10.8,125.2 22.7,125.2 24.2,126.7 24.2,131.9 ; 100.6,55.5 K1#24.2 ; 41.07,94.95 53.25,94.95 K1#10.2 ; 41.07,94.95 K2#6.1 ; R1#10.1 25.75,53.95 24.2,55.5 ; 117.47,171.35 K2#10.1 ; 117.47,171.35 129.65,171.35 K1#13.2 ; K2#4.1 2.87,56.75 ; 2.87,56.75 2.87,56.73 10.8,48.8 22.7,48.8 24.2,50.3 24.2,55.5 ; 2.87,56.75 15.05,56.75 K1#20.2 ; K1#2.2 167.85,94.95 155.67,94.95 ; 24.2,55.5 K1#20.2 ; 177,170.1 178.55,168.55 179.52,168.55 ; 177,170.1 K1#19.2 ; R1#8.1 25.75,130.35 24.2,131.9 ; 100.6,170.1 K1#16.2 ; 100.6,170.1 100.6,164.9 99.1,163.4 87.2,163.4 79.27,171.33 79.27,171.35 ; 100.6,170.1 102.15,168.55 R1#20.1 ; 62.4,131.9 K1#5.2 ; 179.52,92.15 178.55,92.15 177,93.7 ; 155.67,94.95 155.67,94.93 163.6,87 175.5,87 177,88.5 177,93.7 ; 155.67,94.95 K2#15.1 ; 24.2,170.1 24.2,164.9 22.7,163.4 10.8,163.4 2.87,171.33 2.87,171.35 ; 24.2,170.1 25.75,168.55 R1#21.1 ; 24.2,170.1 K1#3.2 ; 62.4,170.1 K1#7.2 ; 62.4,170.1 63.95,168.55 R1#22.1 ; 79.27,94.95 91.45,94.95 K1#18.2 ; 79.27,94.95 K2#2.1 ; R1#18.1 63.95,15.75 62.4,17.3 ; 24.2,131.9 K1#17.2 ; 2.87,18.55 2.87,18.53 10.8,10.6 22.7,10.6 24.2,12.1 24.2,17.3 ; 2.87,18.55 K2#20.1 ; 177,131.9 178.55,130.35 179.52,130.35 ; 177,131.9 K1#21.2 ; 138.8,131.9 140.35,130.35 R1#15.1 ; 138.8,131.9 K1#9.2 ; 62.4,17.3 K1#6.2 ; K2#18.1 79.27,171.35 ; 138.8,55.5 K1#22.2 ; 138.8,55.5 140.35,53.95 R1#6.1 ; 177,55.5 K1#11.2 ; 177,55.5 178.55,53.95 179.52,53.95 ; 79.27,18.55 K2#16.1 ; 177,93.7 K1#2.2 ; 2.87,171.35 15.05,171.35 K1#3.2 ; 2.87,171.35 K2#22.1 ; 138.8,93.7 140.35,92.15 R1#9.1 ; 138.8,93.7 K1#4.2 ; K1#23.2 91.45,133.15 79.27,133.15 ; 79.27,133.15 K2#19.1 ; 24.2,17.3 K1#25.2
